# Altium PCB 压控放大器.PcbDoc
Units mm, origin at the board's own origin, x right, y up, seen from the top; angles counter-clockwise.
Board outline 48 x 31.14 mm, 2 copper layers (Top Layer, Bottom Layer); 25 components, 15 nets, 70 pads, 5 vias.
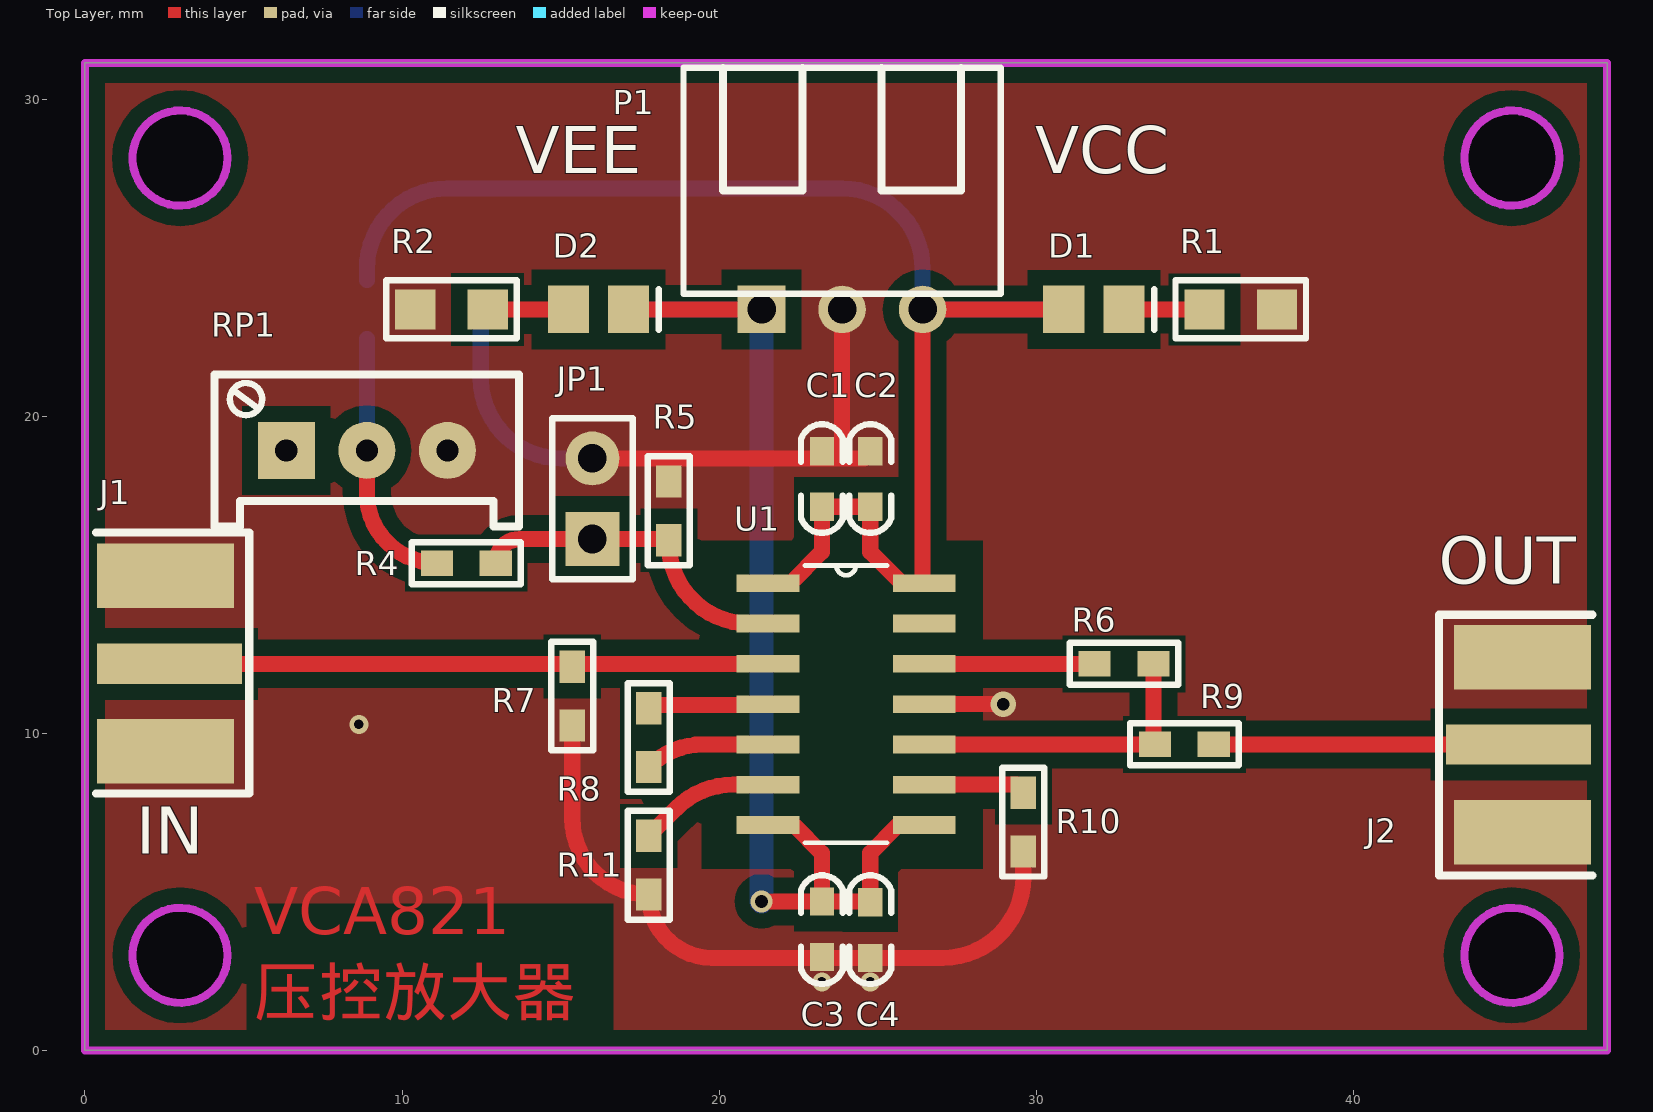
[diagram p0: Top Layer view]
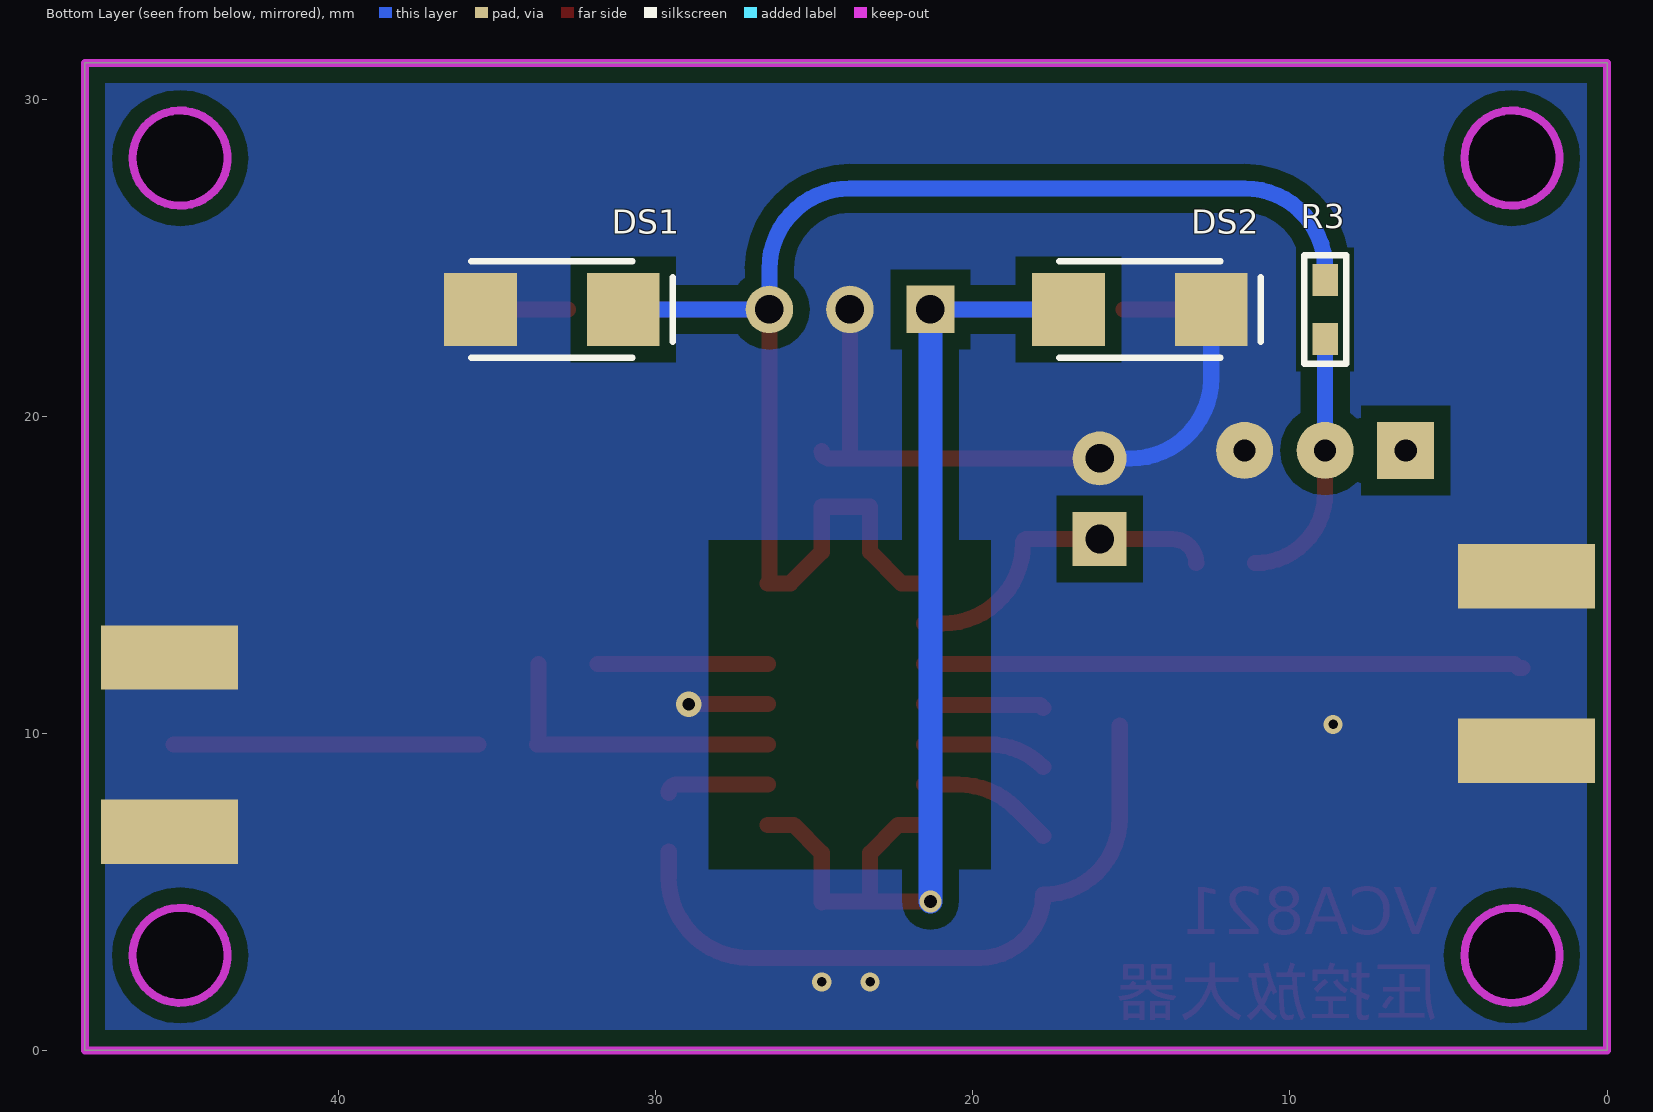
[diagram p1: Bottom Layer view, seen from below]

## Layer stack, top to bottom
Top Solder: solder mask 0.0102, Solder Resist, Dk 3.5
Top Layer: signal copper 0.0356
Dielectric 1: dielectric 0.32, FR-4, Dk 4.8
Bottom Layer: signal copper 0.0356
Bottom Solder: solder mask 0.0102, Solder Resist, Dk 3.5

## Board outline
0,0 0,31.142 48,31.142 48,0
cut-out: 43.5,3 ccw(c45,3) 45,1.5 ccw(c45,3) 46.5,3 ccw(c45,3) 45,4.5 ccw(c45,3)
cut-out: 3,1.5 cw(c3,3) 1.5,3 cw(c3,3) 3,4.5 cw(c3,3) 4.5,3 cw(c3,3)
cut-out: 43.5,28.142 ccw(c45,28.142) 45,26.642 ccw(c45,28.142) 46.5,28.142 ccw(c45,28.142) 45,29.642 ccw(c45,28.142)
cut-out: 3,26.642 cw(c3,28.142) 1.5,28.142 cw(c3,28.142) 3,29.642 cw(c3,28.142) 4.5,28.142 cw(c3,28.142)

## Design rules (kind name [scope] priority, off if disabled: settings)
Clearance [All] p1: gap=0.254 ignorepadtopadclearanceinfootprint=FALSE except(0: Arc-Hole Track-Hole SMDPad-Hole THPad-Hole Via-Hole Fill-Hole Poly-Hole Region-Hole Text-Hole; 0.508: Arc-Fill Arc-Poly Arc-Region Track-Fill Track-Poly Track-Region SMDPad-Fill SMDPad-Poly SMDPad-Region THPad-Fill THPad-Poly THPad-Region Via-Fill Via-Poly Via-Region Fill-Fill Fill-Poly Fill-Region Poly-Poly Poly-Region Region-Region)
HoleToHoleClearance [All] p1: gap=0 allowstackedmicrovias=TRUE
MinimumSolderMaskSliver [All] p1: minsoldermaskwidth=0
PolygonConnect [All] p1: connectstyle=Direct reliefconductorwidth=0.254 reliefentries=4 polygonreliefangle="90 Angle" airgapwidth=0.254
RoutingVias [All] p1: holewidth=0.3 width=0.6 viastyle="Through Hole" minholewidth=0.3 minwidth=0.6 maxholewidth=0.711 maxwidth=2.54
SilkToSilkClearance [All] p1: silktosilkclearance=0
SilkToSolderMaskClearance [IsPad] p1: minsilkscreentomaskgap=0 clearancetoexposedcopper=TRUE
SolderMaskExpansion [All] p1: expansion=0.102
Width [All] p1: maxlimit=2.54 minlimit=0.025 preferedwidth=0.254
26 further rules are at their usual default settings.

## Components (designator, comment, footprint, x,y, rotation, side; value= is the part's Value field where it differs from the comment)
C1 "104" "C 0603" 23.241,18.034 r90 top
C2 "2.2uF" "C 0603" 24.765,18.034 r90 top
C3 "104" "C 0603" 23.241,3.81 r270 top
C4 "2.2uF" "C 0603" 24.765,3.81 r90 top
D1 "LED" LED_0805 31.816,23.368 r0 top
D2 "LED" LED_0805 16.195,23.368 r0 top
DS1 "D Schottky" DIODE-SMA 33.274,23.368 r180 bottom
DS2 "D Schottky" DIODE-SMA 14.732,23.368 r180 bottom
J1 "COAX" MCX5.08-5-H 2.667,12.192 r0 top
J2 "COAX" MCX5.08-5-H 45.212,9.652 r180 top
JP1 "HDR-1X2" HDR-1X2 16.002,16.129 r90 top
P1 "Header 3" HDR3X1_B2 23.876,23.368 r0 top
R1 "1K" "R 0805" 36.449,23.368 r0 top
R2 "1K" "R 0805" 11.557,23.368 r0 top
R3 "15K" "R 0603" 8.89,23.368 r90 bottom
R4 "0" "R 0603" 12.027,15.367 r180 top
R5 "50" "R 0603" 18.415,17.018 r270 top
R6 "4.99K" "R 0603" 32.766,12.192 r0 top
R7 "50" "R 0603" 15.367,11.176 r90 top
R8 "200" "R 0603" 17.78,9.868 r90 top
R9 "25" "R 0603" 34.671,9.652 r0 top
R10 "20" "R 0603" 29.591,7.201 r270 top
R11 "50" "R 0603" 17.78,5.842 r90 top
RP1 "10K" 3296W 8.89,18.923 r0 top
U1 "VCA821" SOIC14_N 24.003,10.922 r0 top value=Value

## Footprints (in the part's own frame and the unit in brackets; to place one, negate y for a bottom-side part, rotate by r counter-clockwise, add the part's x,y. Pads: shape width x height; smd on the part's side, far side on the other; paste and mask are expansions set on the pad)
3296W [mm] "Precise Multi-Winding Adjustable Resistor"
  rect 1.8x1.8 hole 0.7: 1(-2.54,0)
  round 1.8 hole 0.7: 2(0,0) 3(2.54,0)
  silkscreen extent -4.8,-2.4 4.8,2.4, body extent -4.75,-2.4 4.75,2.4, height 11.52
"C 0603" [mil] "无极性贴片电容"
  rect 35x30 smd: 1(-35,0) 2(34,0)
  silkscreen extent -67,-26 67,26, body extent -31,-16 31,16, height 32
DIODE-SMA [mm] "贴片二极管"
  rect 2.3x2.3 smd: 1(-2.25,0) 2(2.25,0)
  silkscreen extent -2.54,-1.52 3.81,1.52, body extent -2.92,-1.4 2.92,1.4, height 3
HDR3X1_B2 [mm] "Connector; Header; 3 Position"
  rect 1.5x1.5 hole 0.9: 1(-2.54,0)
  round 1.5 hole 0.9: 2(0,0) 3(2.54,0)
  silkscreen extent -5,0.5 5,7.62, body extent -5,0.5 5,7.62, height 6
HDR-1X2 [mm] "排针，2脚"
  rect 1.7x1.7 hole 0.9: 1(0,0)
  round 1.7 hole 0.9: 2(2.54,0)
  silkscreen extent -1.27,-1.27 3.81,1.27, body extent -1.27,-1.27 3.81,1.27, height 8.5
LED_0805 [mm] "贴片二极管"
  rect 1.3x1.5 smd: 1(-0.95,0) 2(0.95,0)
  silkscreen extent 1.91,-0.64 1.91,0.64
MCX5.08-5-H [mil]
  rect 180x50 smd: 1(0,0)
  rect 170x80 smd: 2(-5,109.25) 5(-5,-108.27)
  rect 170x80 smd far side: 3(-5,108.66) 4(-5,-107.87)
  silkscreen extent -92,-161 99,163, body extent -93,-132 80,134, height 39
"R 0603" [mil] "1/10W贴片电阻"
  rect 40x31.5 smd: 1(-36.5,0) 2(36.5,0)
  silkscreen extent -68,-26 68,26, body extent -31,-16 31,16, height 16
"R 0805" [mil] "1/8W贴片电阻"
  rect 50x50 smd: 1(-45,0) 2(45,0)
  silkscreen extent -81,-36 81,36, body extent -39,-25 39,25, height 20
SOIC14_N [mil]
  rect 78x22 smd: 1(-97,150) 2(-97,100) 3(-97,50) 4(-97,0) 5(-97,-50) 6(-97,-100) 7(-97,-150) 8(97,-150) 9(97,-100) 10(97,-50) 11(97,0) 12(97,50) 13(97,100) 14(97,150)
  silkscreen extent -51,-172 51,172, body extent -95,-175 100,175, height 69

## Part data
C1 C2 C3 C4: library part C, "无极性贴片电容"
D1 D2: "发光二极管", LatestRevisionDate=08-Jul-2005, LatestRevisionNote="Mech Layer 1 removed.", PackageReference=LED, Published=8-Jun-2000, Publisher="Altium Limited"
DS1 DS2: "Schottky Diode", Code_JEDEC=DO-214-AA, LatestRevisionDate=17-Jul-2002, LatestRevisionNote="Re-released for DXP Platform.", PackageDescription="DO-214-AA/SMB; 2 C-Bend Leads; Body 5.3 x 3.6 mm, inc. leads (LxW)", PackageReference=SMB, Published=8-Jun-2000, Publisher="Altium Limited"
JP1: library part "Header 2", "2P接插件"
P1: "接插件", LatestRevisionDate=17-Jul-2002, LatestRevisionNote="Re-released for DXP Platform.", Publisher="Altium Limited"
R1 R2 R3 R4 R5 R6 R7 R8 R9 R10 R11: library part R, "贴片电阻"
RP1: library part RP-ID, "插件单联电位器"
U1: "可变增益放大器 Ultra-Wideband, > 40-dB Gain Adjust Range, Linear in dB", Manufacturer="Texas Instruments", Manufacturer_Part_Number=vca821_d_14, PACKAGE_DESIGNATOR=D, Datasheet URL=http://www.ti.com/lit/gpn/VCA821, FAMILY_NAME="VARIABLE GAIN AMPLIFIER", GENERIC_PART_NUMBER=VCA821, INDUSTRY_STD_PKG_TYPE=SOIC, PIN_COUNT=14, RefDes=RefDes, Type=DEV, Vendor="Texas Instruments"

## Via types
v1: diameter 0.6, hole 0.3, Top Layer to Bottom Layer, tented both sides, 3 vias
v2: diameter 0.7, hole 0.4, Top Layer to Bottom Layer, 1 vias
v3: diameter 0.8, hole 0.4, Top Layer to Bottom Layer, 1 vias

## Nets (pads, with @x,y where several pads share a name; then routed paths per layer and width w, separated by ;. In a path a pad name is that pad's centre, name@x,y a point inside that pad or via, vN(x,y) a via of type N, cw(c..) or ccw(c..) an arc to the next point about the centre after c; other vN are vias at no path point)
GND: C1.2 C2.2 C3.2 C4.1 DS1.1 DS2.2 J1.2 J1.3 J1.4 J1.5 J2.2 J2.3 J2.4 J2.5 JP1.2 P1.2 R1.2 R2.1 R5.1 R7.1 R10.2 R11.1 RP1.3 U1.11 | length 45.1
  Top Layer w0.508: R7.1 15.367,7.328 ccw(c17.78,7.328) R11.1 ccw(c19.774,4.915) 19.774,2.921 C4.1 27.051,2.921 ccw(c27.051,5.461) 29.591,5.461 R10.2 ; JP1.2 23.876,18.669 ; P1.2 23.876,18.669 ; C2.2 cw(c24.536,18.898) 24.536,18.669 23.876,18.669 ; U1.11 v3(28.956,10.922)
  Bottom Layer w0.508: DS2.2 12.482,21.209 ccw(c15.022,21.209) 15.022,18.669 JP1.2
  other v1: 23.241,2.167 24.765,2.167 8.636,10.287
NetD1_2: D1.2 R1.1 | length 2.5
  Top Layer w0.508: D1.2 R1.1
NetD2_1: D2.1 R2.2 | length 2.5
  Top Layer w0.508: R2.2 D2.1
NetJ1_1: J1.1 R7.2 U1.3 | length 18.9
  Top Layer w0.508: J1.1@2.667,12.065 2.794,12.065 2.921,12.192 15.367,12.192 U1.3
NetJ2_1: J2.1 R9.2 | length 9.6
  Top Layer w0.508: R9.2 J2.1
NetJP1_1: JP1.1 R4.1 R5.2 U1.2 | length 10.5
  Top Layer w0.508: R4.1 cw(c13.716,15.367) 13.716,16.129 JP1.1 18.288,16.129 cw(c18.288,16.002) 18.415,16.002 ccw(c20.955,16.002) 20.955,13.462 U1.2
NetR3_1: R3.1 R4.2 RP1.2 | length 8.3
  Top Layer w0.508: RP1.2 8.89,17.577 ccw(c11.1,17.577) R4.2
  Bottom Layer w0.508: RP1.2 R3.1
NetR6_1: R6.1 U1.12 | length 5.4
  Top Layer w0.508: U1.12 R6.1
NetR6_2: R6.2 R9.1 U1.10 | length 9.8
  Top Layer w0.508: U1.10 R9.1 cw(c33.867,9.775) 33.693,9.775 R6.2
NetR8_1: R8.1 U1.5 | length 3.9
  Top Layer w0.508: R8.1 cw(c19.497,7.224) 19.497,9.652 U1.5
NetR8_2: R8.2 U1.4 | length 3.8
  Top Layer w0.508: R8.2 17.882,10.897 21.514,10.897 U1.4
NetR10_1: R10.1 U1.9 | length 3.3
  Top Layer w0.508: U1.9 29.337,8.382 cw(c29.337,8.128) R10.1
NetR11_2: R11.2 U1.6 | length 4.3
  Top Layer w0.508: R11.2 18.649,7.638 cw(c20.445,5.842) 20.445,8.382 U1.6
VCC: C1.1 C2.1 D1.1 DS1.2 P1.3 R3.2 U1.1 U1.14 | length 48.4
  Top Layer w0.508: U1.1 22.25,14.732 23.241,15.723 C1.1 C2.1 24.765,15.723 25.756,14.732 U1.14@26.441,14.732 ; U1.14 U1.14@26.441,14.732 ; D1.1 P1.3 26.416,14.757 U1.14@26.441,14.732
  Bottom Layer w0.508: R3.2 8.89,24.646 cw(c11.43,24.646) 11.43,27.186 23.876,27.186 cw(c23.876,24.646) 26.416,24.646 P1.3 DS1.2
VEE: C3.1 C4.2 D2.2 DS2.1 P1.1 U1.7 U1.8 | length 37.9
  Top Layer w0.508: D2.2 P1.1 ; v2(21.336,4.699) C3.1 ; U1.7 22.352,7.112 23.241,6.223 C3.1 ; U1.8 25.654,7.112 24.765,6.223 C4.2 ccw(c24.704,4.612) 24.704,4.699 C3.1
  Bottom Layer w0.508: DS2.1 P1.1
  Bottom Layer w0.762: v2(21.336,4.699) P1.1
pads on no net: RP1.1 U1.13

## Polygon pours and split planes (outlines as drawn)
GND on Bottom Layer "Top Layer-No Net1" (solid, remove dead copper, pour order 6): 0,0 0,31.142 48,31.142 48,0
GND on Top Layer "Top Layer-No Net" (solid, remove dead copper, pour order 5): 0,0 0,31.142 48,31.142 48,0

## Keep-outs
Keep-Out Layer:
  circle w0.254: c45,28.142 r1.5
  circle w0.254: c45,3 r1.5
  circle w0.254: c3,28.142 r1.5
  circle w0.254: c3,3 r1.5
  pour cut-out: 3,26.642 cw(c3,28.142) 1.5,28.142 cw(c3,28.142) 3,29.642 cw(c3,28.142) 4.5,28.142 cw(c3,28.142)
  lines w0.254: 0,0 0,31.142 48,31.142 48,0 0,0

## Other copper
Top Layer:
  pour cut-out: 19.431,16.091 28.321,16.091 28.321,5.715 19.431,5.715
  pour cut-out: 19.497,16.256
  text "VCA821 / 压控放大器" at 5.334,0.635 h2.54
Bottom Layer:
  pour cut-out: 19.431,16.091 28.321,16.091 28.321,5.715 19.431,5.715

## Silkscreen, mask and mechanical layers (free items; w line width, h text height)
Top Overlay:
  text "VEE" at 13.589,27.178 h2.54
  text "VCC" at 29.972,27.178 h2.54
  text "OUT" at 42.697,14.224 h2.54
  text "IN" at 1.614,5.715 h2.54